# Altium PCB higgs.PcbDoc (part 25 of 25)
Units mm, origin at the board's own origin, x right, y up, seen from the top; angles counter-clockwise.
Board outline 160 x 160 mm, 15 copper layers (TOP, P1(GND), S1(V), P2(GND), S2(H), P3(GND), S3(V12/V2V5), S4(VDDR), P4(GND), S5(V), P5(GND), S6(H), P6(GND), P1(GND) (Plane1), BOT), stack 3.262 mm thick; 1283 components, 2419 nets, 11066 pads, 5487 vias.
Unrouted connection lines stored in the file: 239.
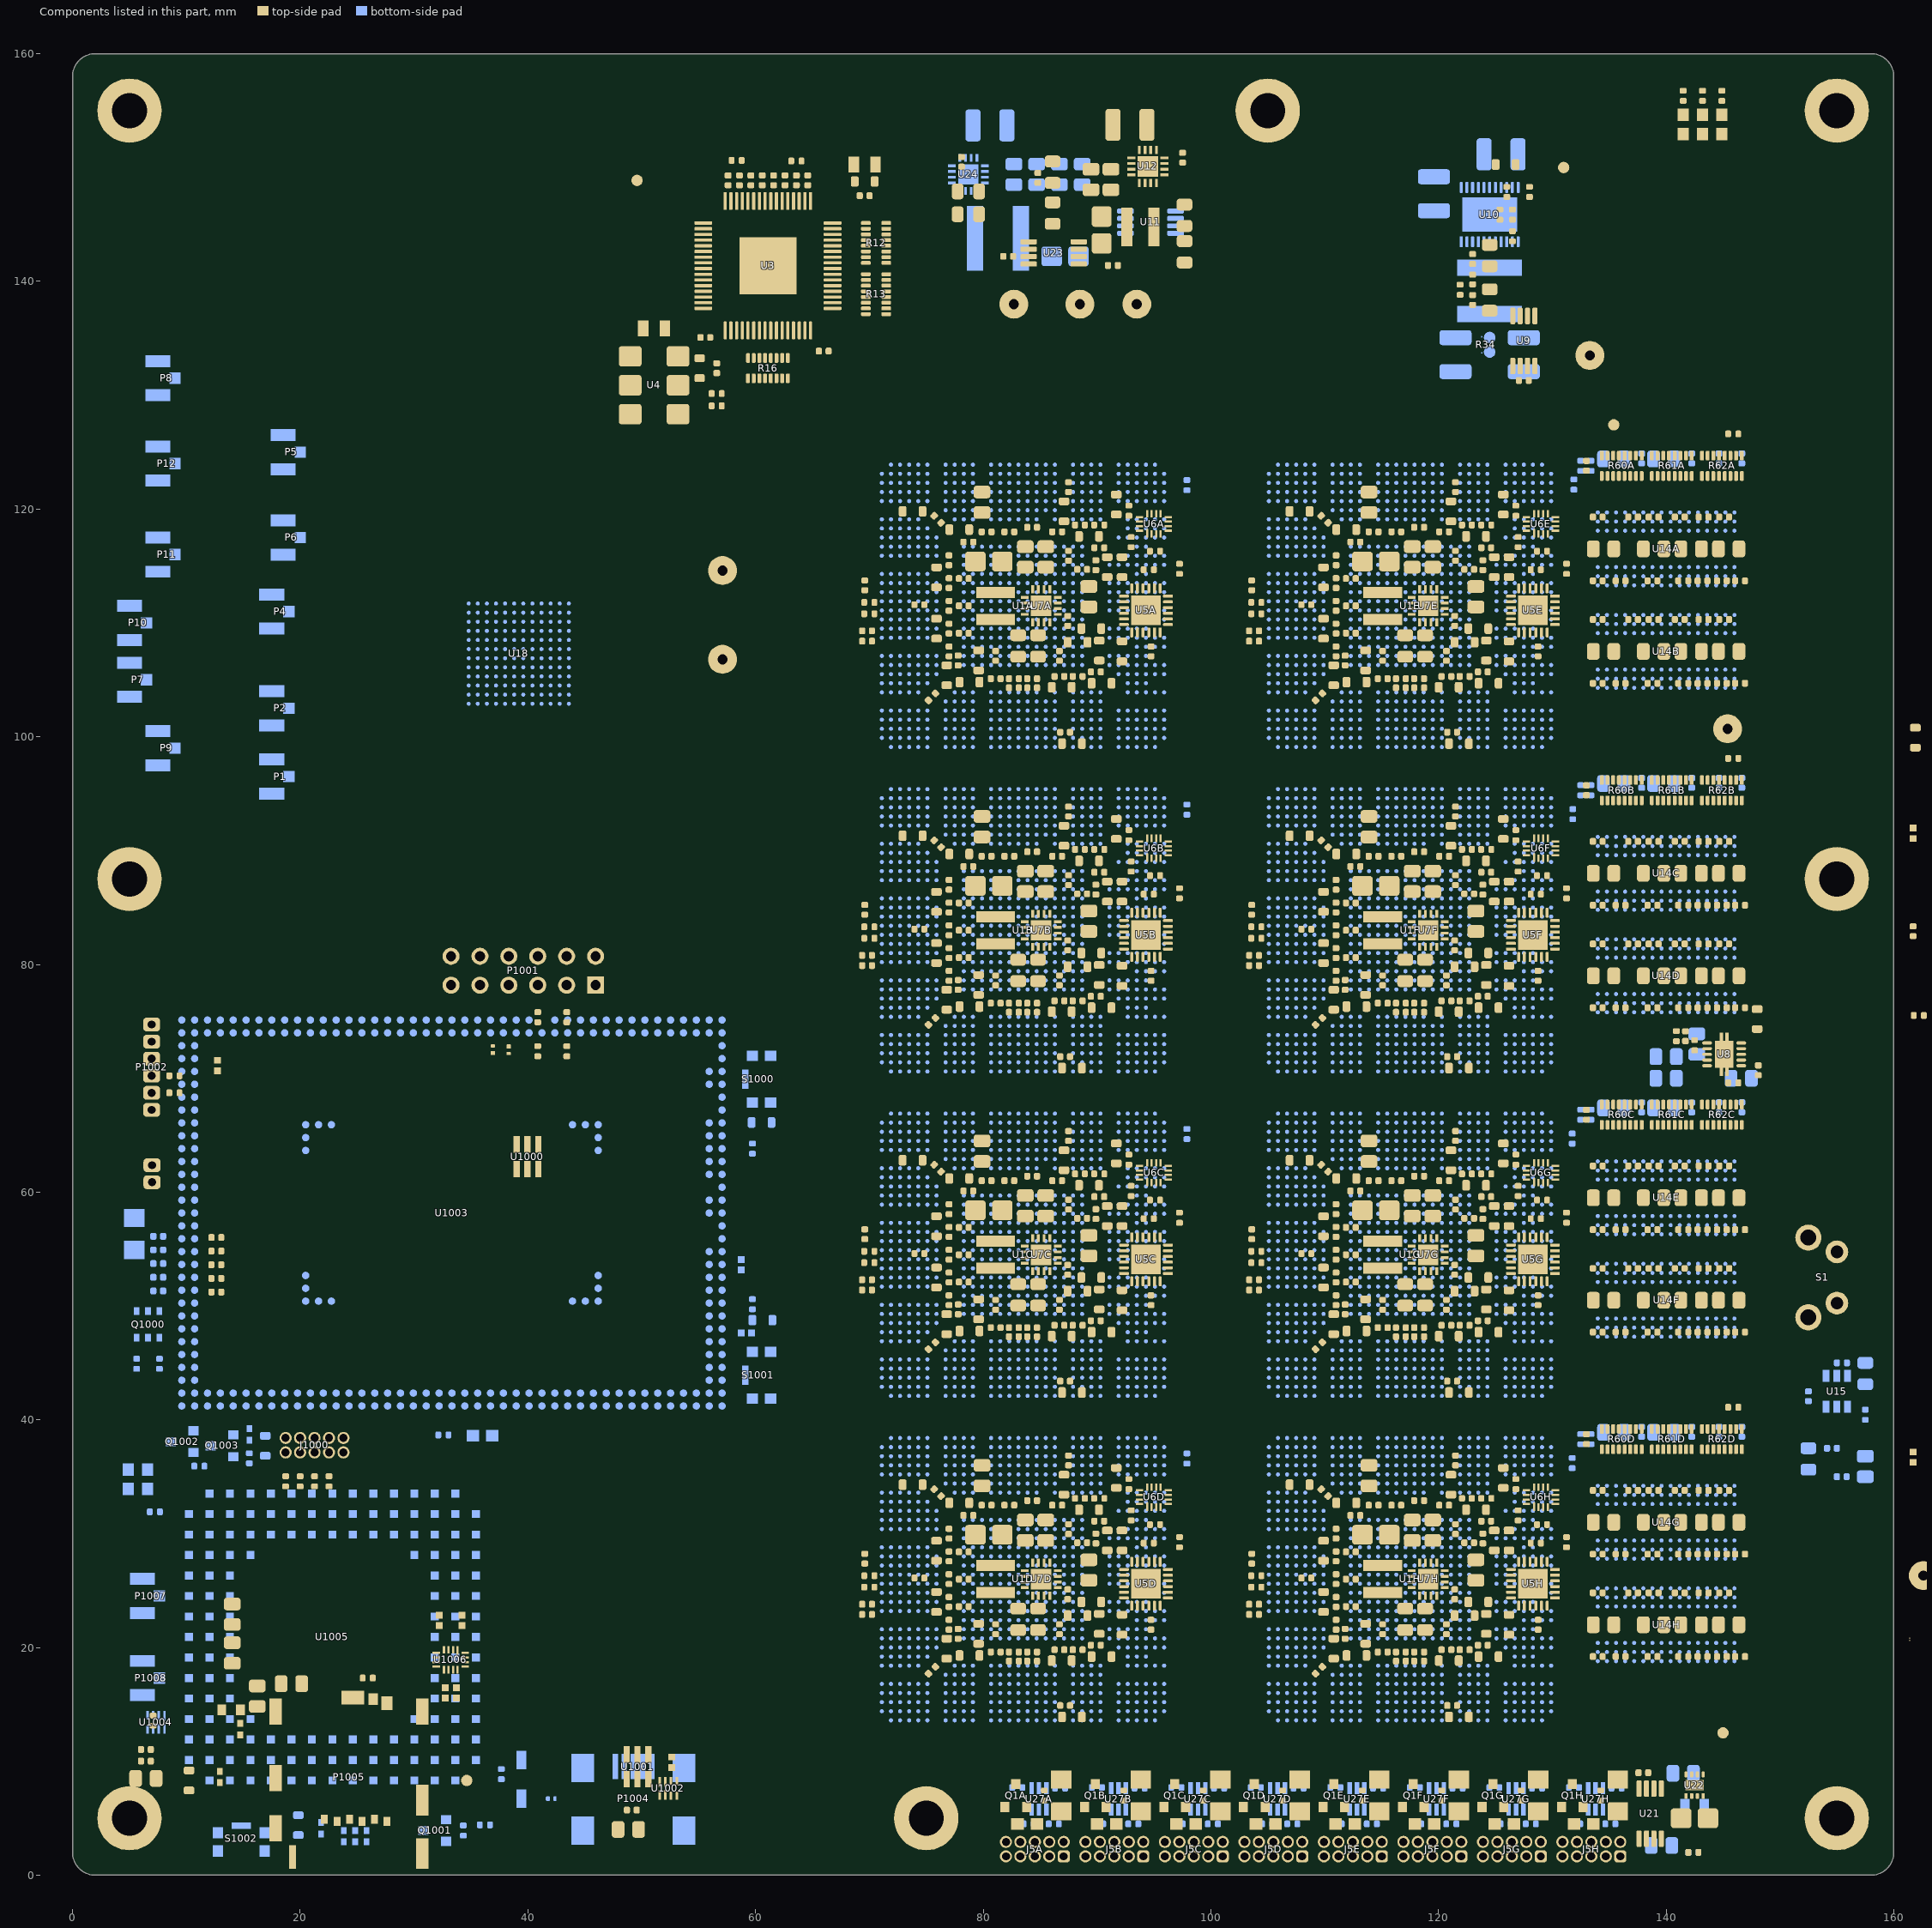
[diagram p38: the components of this part, seen from the top]

## Polygon pours and split planes (outlines as drawn) (continued)
IL12.VIOLRH on TOP "TOP_IL12_23_VIOLR" (solid, remove dead copper, shelved, pour order 1916): 21 vertices, not listed, extent 113,10 150,132
NetL5_1 on TOP "NETL6_1_L01_P2121" (solid, remove dead copper, shelved, pour order 2121): 94.978,149.086 93.454,149.086 93.454,147.816 93.454,147.562 93.454,145.53 94.216,145.53 94.978,145.53
NetC94_2 on TOP "NETC88_2_L01_P2125" (solid, remove dead copper, shelved, pour order 2125): 89.138,149.086 89.138,144.516 93.2,144.516 93.2,146.038 93.2,147.562 92.514,148.324 92.438,148.324 91.93,148.324 91.422,148.832 91.422,149.086
V1V35 on TOP "FPGA_SDRAM_V1V35B" (solid, remove dead copper, shelved, pour order 2169): 134,33.3 134,33.4 134,35 135.6,35 135.6,33.4 136.4,33.4 136.4,31.3 136.4,29 134,29 134,27.8 133.2,27.8 133.2,30.1 134.5,30.1 134.5,32.6 134,32.6
V1V35 on TOP "FPGA_SDRAM_V1V35B" (solid, remove dead copper, shelved, pour order 2168): 143.3,33.8 145.601,33.8 145.601,31.8 145.5,31.8 145.5,29.8 146.401,29.8 146.401,28.2 144,28.2 144,32.2 143.3,32.2
V1V35 on TOP "FPGA_SDRAM_V1V35B" (solid, remove dead copper, shelved, pour order 2167): 143.3,24.8 145.601,24.8 145.601,22.8 145.5,22.8 145.5,20.8 146.401,20.8 146.401,19.2 144,19.2 144,23.2 143.3,23.2
V1V35 on TOP "FPGA_SDRAM_V1V35B" (solid, remove dead copper, shelved, pour order 2166): 134,24.3 134,24.4 134,26 135.6,26 135.6,24.4 136.4,24.4 136.4,22.3 136.4,20 134,20 134,18.8 133.2,18.8 133.2,21.1 134.5,21.1 134.5,23.6 134,23.6
V1V35 on TOP "FPGA_SDRAM_V1V35B" (solid, remove dead copper, shelved, pour order 2164): 134,61.8 134,61.9 134,63.5 135.6,63.5 135.6,61.9 136.4,61.9 136.4,59.8 136.4,57.5 134,57.5 134,56.3 133.2,56.3 133.2,58.6 134.5,58.6 134.5,61.1 134,61.1
V1V35 on TOP "FPGA_SDRAM_V1V35B" (solid, remove dead copper, shelved, pour order 2163): 143.3,62.3 145.601,62.3 145.601,60.3 145.5,60.3 145.5,58.3 146.401,58.3 146.401,56.7 144,56.7 144,60.7 143.3,60.7
V1V35 on TOP "FPGA_SDRAM_V1V35B" (solid, remove dead copper, shelved, pour order 2162): 143.3,53.3 145.601,53.3 145.601,51.3 145.5,51.3 145.5,49.3 146.401,49.3 146.401,47.7 144,47.7 144,51.7 143.3,51.7
V1V35 on TOP "FPGA_SDRAM_V1V35B" (solid, remove dead copper, shelved, pour order 2161): 134,52.8 134,52.9 134,54.5 135.6,54.5 135.6,52.9 136.4,52.9 136.4,50.8 136.4,48.5 134,48.5 134,47.3 133.2,47.3 133.2,49.6 134.5,49.6 134.5,52.1 134,52.1
V1V35 on TOP "FPGA_SDRAM_V1V35B" (solid, remove dead copper, shelved, pour order 2159): 134,81.3 134,81.4 134,83 135.6,83 135.6,81.4 136.4,81.4 136.4,79.3 136.4,77 134,77 134,75.8 133.2,75.8 133.2,78.1 134.5,78.1 134.5,80.6 134,80.6
V1V35 on TOP "FPGA_SDRAM_V1V35B" (solid, remove dead copper, shelved, pour order 2158): 143.3,81.8 145.601,81.8 145.601,79.8 145.5,79.8 145.5,77.8 146.401,77.8 146.401,76.2 144,76.2 144,80.2 143.3,80.2
V1V35 on TOP "FPGA_SDRAM_V1V35B" (solid, remove dead copper, shelved, pour order 2157): 143.3,90.8 145.601,90.8 145.601,88.8 145.5,88.8 145.5,86.8 146.401,86.8 146.401,85.2 144,85.2 144,89.2 143.3,89.2
V1V35 on TOP "FPGA_SDRAM_V1V35B" (solid, remove dead copper, shelved, pour order 2156): 134,90.3 134,90.4 134,92 135.6,92 135.6,90.4 136.4,90.4 136.4,88.3 136.4,86 134,86 134,84.8 133.2,84.8 133.2,87.1 134.5,87.1 134.5,89.6 134,89.6
V1V35 on TOP "FPGA_SDRAM_V1V35B" (solid, remove dead copper, shelved, pour order 2155): 134,109.8 134,109.9 134,111.5 135.6,111.5 135.6,109.9 136.4,109.9 136.4,107.8 136.4,105.5 134,105.5 134,104.3 133.2,104.3 133.2,106.6 134.5,106.6 134.5,109.1 134,109.1
V1V35 on TOP "FPGA_SDRAM_V1V35B" (solid, remove dead copper, shelved, pour order 2154): 143.3,110.3 145.601,110.3 145.601,108.3 145.5,108.3 145.5,106.3 146.401,106.3 146.401,104.7 144,104.7 144,108.7 143.3,108.7
VTTR on TOP "FPGAN_TO_VTTB" (solid, remove dead copper, shelved, pour order 2022): 121.9,102.3 119.9,102.3 119.9,101.9 118.7,101.9 118.7,100.3 121.9,100.3
V1V35 on TOP "FPGA_SDRAM_V1V35B" (solid, remove dead copper, shelved, pour order 1932): 143.3,119.3 145.601,119.3 145.601,117.3 145.5,117.3 145.5,115.3 146.401,115.3 146.401,113.7 144,113.7 144,117.7 143.3,117.7
V1V35 on TOP "FPGA_SDRAM_V1V35B" (solid, remove dead copper, shelved, pour order 1931): 134,118.8 134,118.9 134,120.5 135.6,120.5 135.6,118.9 136.4,118.9 136.4,116.8 136.4,114.5 134,114.5 134,113.3 133.2,113.3 133.2,115.6 134.5,115.6 134.5,118.1 134,118.1
V1V35 on TOP "FPGA_TO_IL0730VIOA" (solid, remove dead copper, shelved, pour order 2036): 112.7,31.2 114.7,31.2 114.7,33.6 112.7,33.6
V1V35 on TOP "FPGA_TO_IL0730VIOB" (solid, remove dead copper, shelved, pour order 2053): 112.3,26.8 112.3,27.6 109.45,27.6 109.45,26.8
IL12.VIOLRH on TOP "FPGA_TO_IL1230VIOB" (solid, remove dead copper, shelved, pour order 2002): 112.3,25.6 109.45,25.6 109.45,24 112.3,24
IL12.LR.VTTH on TOP "FPGA_TO_IL1230VTT" (solid, remove dead copper, shelved, pour order 1985): 111.5,17.6 111.5,20 109.1,20 109.1,17.6
V1V35 on TOP "FPGA_TO_IL3430VIOA" (solid, remove dead copper, shelved, pour order 1951): 117.9,20.8 121.1,20.8 121.1,18.4 117.9,18.4
V1V35 on TOP "FPGA_TO_IL3430VIOB" (solid, remove dead copper, shelved, pour order 1934): 121.9,20.8 121.9,18.4 123.9,18.4 123.9,20.8
VTTR on TOP "FPGAN_TO_VTTB" (solid, remove dead copper, shelved, pour order 2019): 121.9,16.8 119.9,16.8 119.9,16.4 118.7,16.4 118.7,14.8 121.9,14.8
V1V35 on TOP "FPGA_TO_IL0730VIOA" (solid, remove dead copper, shelved, pour order 2037): 112.7,59.7 114.7,59.7 114.7,62.1 112.7,62.1
V1V35 on TOP "FPGA_TO_IL0730VIOB" (solid, remove dead copper, shelved, pour order 2054): 112.3,55.3 112.3,56.1 109.45,56.1 109.45,55.3
V1V35 on TOP "FPGA_TO_IL1230VIOB" (solid, remove dead copper, shelved, pour order 2003): 112.3,54.1 109.45,54.1 109.45,52.5 112.3,52.5
VTTR on TOP "FPGA_TO_IL1230VTT" (solid, remove dead copper, shelved, pour order 1986): 111.5,46.1 111.5,48.5 109.1,48.5 109.1,46.1
V1V35 on TOP "FPGA_TO_IL1230VIOA" (solid, remove dead copper, shelved, pour order 1969): 113.5,49.7 117.1,49.7 117.5,49.7 117.5,48.9 117.5,46.9 116.7,46.9 116.7,47.9 113.5,47.9
V1V35 on TOP "FPGA_TO_IL3430VIOA" (solid, remove dead copper, shelved, pour order 1952): 117.9,49.3 121.1,49.3 121.1,46.9 117.9,46.9
V1V35 on TOP "FPGA_TO_IL3430VIOB" (solid, remove dead copper, shelved, pour order 1935): 121.9,49.3 121.9,46.9 123.9,46.9 123.9,49.3
VTTR on TOP "FPGAN_TO_VTTB" (solid, remove dead copper, shelved, pour order 2020): 121.9,45.3 119.9,45.3 119.9,44.9 118.7,44.9 118.7,42.7 121.9,42.7
V1V35 on TOP "FPGA_TO_IL0730VIOA" (solid, remove dead copper, shelved, pour order 2038): 112.7,88.2 114.7,88.2 114.7,90.6 112.7,90.6
V1V35 on TOP "FPGA_TO_IL0730VIOB" (solid, remove dead copper, shelved, pour order 2055): 112.3,83.8 112.3,84.6 109.45,84.6 109.45,83.8
V1V35 on TOP "FPGA_TO_IL1230VIOB" (solid, remove dead copper, shelved, pour order 2004): 112.3,82.6 109.45,82.6 109.45,81 112.3,81
VTTR on TOP "FPGA_TO_IL1230VTT" (solid, remove dead copper, shelved, pour order 1987): 111.5,74.6 111.5,77 109.1,77 109.1,74.6
V1V35 on TOP "FPGA_TO_IL1230VIOA" (solid, remove dead copper, shelved, pour order 1970): 113.5,78.2 117.1,78.2 117.5,78.2 117.5,77.4 117.5,75.4 116.7,75.4 116.7,76.4 113.5,76.4
V1V35 on TOP "FPGA_TO_IL3430VIOA" (solid, remove dead copper, shelved, pour order 1953): 117.9,77.8 121.1,77.8 121.1,75.4 117.9,75.4
V1V35 on TOP "FPGA_TO_IL3430VIOB" (solid, remove dead copper, shelved, pour order 1936): 121.9,77.8 121.9,75.4 123.9,75.4 123.9,77.8
VTTR on TOP "FPGAN_TO_VTTB" (solid, remove dead copper, shelved, pour order 2021): 121.9,73.8 119.9,73.8 119.9,73.4 118.7,73.4 118.7,71.8 121.9,71.8
V1V35 on TOP "FPGA_TO_IL0730VIOA" (solid, remove dead copper, shelved, pour order 2039): 112.7,116.7 114.7,116.7 114.7,119.1 112.7,119.1
V1V35 on TOP "FPGA_TO_IL0730VIOB" (solid, remove dead copper, shelved, pour order 2056): 112.3,112.3 112.3,113.1 109.45,113.1 109.45,112.3
V1V35 on TOP "FPGA_TO_IL1230VIOB" (solid, remove dead copper, shelved, pour order 2005): 112.3,111.1 109.45,111.1 109.45,109.5 112.3,109.5
VTTR on TOP "FPGA_TO_IL1230VTT" (solid, remove dead copper, shelved, pour order 1988): 111.5,103.1 111.5,105.5 109.1,105.5 109.1,103.1
V1V35 on TOP "FPGA_TO_IL1230VIOA" (solid, remove dead copper, shelved, pour order 1971): 113.5,106.7 117.1,106.7 117.5,106.7 117.5,105.9 117.5,103.9 116.7,103.9 116.7,104.9 113.5,104.9
V1V35 on TOP "FPGA_TO_IL3430VIOA" (solid, remove dead copper, shelved, pour order 1954): 117.9,106.3 121.1,106.3 121.1,103.9 117.9,103.9
V1V35 on TOP "FPGA_TO_IL3430VIOB" (solid, remove dead copper, shelved, pour order 1937): 121.9,106.3 121.9,103.9 123.9,103.9 123.9,106.3
IL12.VIOLRH on TOP "FPGA_TO_IL1230VIOB" (solid, remove dead copper, shelved, pour order 2006): 78.3,25.6 75.45,25.6 75.45,24 78.3,24
IL12.LR.VTTH on TOP "FPGA_TO_IL1230VTT" (solid, remove dead copper, shelved, pour order 1989): 77.5,17.6 77.5,20 75.1,20 75.1,17.6
IL12.VIOLRH on TOP "FPGA_TO_IL1230VIOA" (solid, remove dead copper, shelved, pour order 1972): 79.5,21.2 83.1,21.2 83.5,21.2 83.5,20.4 83.5,18.4 82.7,18.4 82.7,19.4 79.5,19.4
V1V35 on TOP "FPGA_TO_IL3430VIOA" (solid, remove dead copper, shelved, pour order 1955): 83.9,20.8 87.1,20.8 87.1,18.4 83.9,18.4
V1V35 on TOP "FPGA_TO_IL3430VIOB" (solid, remove dead copper, shelved, pour order 1938): 87.9,20.8 87.9,18.4 89.9,18.4 89.9,20.8
V1V35 on TOP "FPGA_TO_IL1230VIOB" (solid, remove dead copper, shelved, pour order 2007): 78.3,54.1 75.45,54.1 75.45,52.5 78.3,52.5
VTTR on TOP "FPGA_TO_IL1230VTT" (solid, remove dead copper, shelved, pour order 1990): 77.5,46.1 77.5,48.5 75.1,48.5 75.1,46.1
V1V35 on TOP "FPGA_TO_IL1230VIOA" (solid, remove dead copper, shelved, pour order 1973): 79.5,49.7 83.1,49.7 83.5,49.7 83.5,48.9 83.5,46.9 82.7,46.9 82.7,47.9 79.5,47.9
V1V35 on TOP "FPGA_TO_IL3430VIOA" (solid, remove dead copper, shelved, pour order 1956): 83.9,49.3 87.1,49.3 87.1,46.9 83.9,46.9
V1V35 on TOP "FPGA_TO_IL3430VIOB" (solid, remove dead copper, shelved, pour order 1939): 87.9,49.3 87.9,46.9 89.9,46.9 89.9,49.3
VTTR on TOP "FPGAN_TO_VTTB" (solid, remove dead copper, shelved, pour order 2024): 87.9,45.3 85.9,45.3 85.9,44.9 84.7,44.9 84.7,43.3 87.9,43.3
V1V35 on TOP "FPGA_TO_IL1230VIOB" (solid, remove dead copper, shelved, pour order 2008): 78.3,82.6 75.45,82.6 75.45,81 78.3,81
VTTR on TOP "FPGA_TO_IL1230VTT" (solid, remove dead copper, shelved, pour order 1991): 77.5,74.6 77.5,77 75.1,77 75.1,74.6
V1V35 on TOP "FPGA_TO_IL1230VIOA" (solid, remove dead copper, shelved, pour order 1974): 79.5,78.2 83.1,78.2 83.5,78.2 83.5,77.4 83.5,75.4 82.7,75.4 82.7,76.4 79.5,76.4
V1V35 on TOP "FPGA_TO_IL3430VIOA" (solid, remove dead copper, shelved, pour order 1957): 83.9,77.8 87.1,77.8 87.1,75.4 83.9,75.4
V1V35 on TOP "FPGA_TO_IL3430VIOB" (solid, remove dead copper, shelved, pour order 1940): 87.9,77.8 87.9,75.4 89.9,75.4 89.9,77.8
VTTR on TOP "FPGAN_TO_VTTB" (solid, remove dead copper, shelved, pour order 2025): 87.9,73.8 85.9,73.8 85.9,73.4 84.7,73.4 84.7,71.8 87.9,71.8
V1V35 on TOP "FPGA_TO_IL1230VIOB" (solid, remove dead copper, shelved, pour order 2009): 78.3,111.1 75.45,111.1 75.45,109.5 78.3,109.5
VTTR on TOP "FPGA_TO_IL1230VTT" (solid, remove dead copper, shelved, pour order 1992): 77.5,103.1 77.5,105.5 75.1,105.5 75.1,103.1
V1V35 on TOP "FPGA_TO_IL1230VIOA" (solid, remove dead copper, shelved, pour order 1975): 79.5,106.7 83.1,106.7 83.5,106.7 83.5,105.9 83.5,103.9 82.7,103.9 82.7,104.9 79.5,104.9
V1V35 on TOP "FPGA_TO_IL3430VIOA" (solid, remove dead copper, shelved, pour order 1958): 83.9,106.3 87.1,106.3 87.1,103.9 83.9,103.9
V1V35 on TOP "FPGA_TO_IL3430VIOB" (solid, remove dead copper, shelved, pour order 1941): 87.9,106.3 87.9,103.9 89.9,103.9 89.9,106.3
VTTR on TOP "FPGAN_TO_VTTB" (solid, remove dead copper, shelved, pour order 2026): 87.9,102.3 85.9,102.3 85.9,101.9 84.7,101.9 84.7,100.3 87.9,100.3
V12 on TOP "V12_L01_P2123" (solid, remove dead copper, shelved, pour order 2123): 92.692,150.61 92.692,152.39 93.198,152.896 93.2,153.91 96.025,153.913 96.025,152.05 94.925,152.05 94.925,151.351 93.8,151.351 93.8,150.61
NetC69_1 on TOP "CLK_V3V3FILT" (solid, remove dead copper, shelved, pour order 2198): 63.39,149.076 64.59,149.076 64.59,147.376 69.16,147.376 69.16,151.276 63.39,151.276
IL12.LR.VTTH on TOP "IL12_23_DDRVTT" (solid, remove dead copper, shelved, pour order 1928): 67.7,27.9 70.4,27.9 70.4,24.9 67.7,24.9
IL12.LR.VTTH on TOP "IL12_23_DDRVTT" (solid, remove dead copper, shelved, pour order 1927): 101.7,27.9 104.4,27.9 104.4,24.9 101.7,24.9
VTTR on TOP "FPGAN_TO_VTTB" (solid, remove dead copper, shelved, pour order 2023): 87.9,16.8 85.9,16.8 85.9,16.4 84.7,16.4 84.7,14.8 87.9,14.8
IL68.LR.VTTE on TOP "FPGA_TO_VTT" (solid, remove dead copper, shelved, pour order 2073): 121.9,120.7 119.9,120.7 119.9,121.1 118.7,121.1 118.7,121.9 121.9,121.9
IL12.VIOLRH on TOP "FPGA_TO_IL1230VIOA" (solid, remove dead copper, shelved, pour order 1968): 113.5,21.2 117.1,21.2 117.5,21.2 117.5,20.4 117.5,18.4 116.7,18.4 116.7,19.4 113.5,19.4
SNSH_N on TOP "SNSQ_N_L01_P2087" (solid, remove dead copper, shelved, pour order 2087): 116.8,24.9 113.3,24.9 112.8,24.4 112.8,22.9 113.3,22.4 117.3,22.4 117.8,22.4 118,22.4 118.8,22.4 118.8,23.4 117.8,23.4 117.3,23.9
SNSG_N on TOP "SNSP_N_L01_P2088" (solid, remove dead copper, shelved, pour order 2088): 116.8,53.4 113.3,53.4 112.8,52.9 112.8,51.4 113.3,50.9 117.3,50.9 117.8,50.9 118,50.9 118.8,50.9 118.8,51.9 117.8,51.9 117.3,52.4
SNSF_N on TOP "SNSO_N_L01_P2089" (solid, remove dead copper, shelved, pour order 2089): 116.8,81.9 113.3,81.9 112.8,81.4 112.8,79.9 113.3,79.4 117.3,79.4 117.8,79.4 118,79.4 118.8,79.4 118.8,80.4 117.8,80.4 117.3,80.9
SNSE_N on TOP "SNSN_N_L01_P2090" (solid, remove dead copper, shelved, pour order 2090): 116.8,110.4 113.3,110.4 112.8,109.9 112.8,108.4 113.3,107.9 117.3,107.9 117.8,107.9 118,107.9 118.8,107.9 118.8,108.9 117.8,108.9 117.3,109.4
SNSD_N on TOP "SNSM_N_L01_P2091" (solid, remove dead copper, shelved, pour order 2091): 82.8,24.9 79.3,24.9 78.8,24.4 78.8,22.9 79.3,22.4 83.3,22.4 83.8,22.4 84,22.4 84.8,22.4 84.8,23.4 83.8,23.4 83.3,23.9
SNSC_N on TOP "SNSL_N_L01_P2092" (solid, remove dead copper, shelved, pour order 2092): 82.8,53.4 79.3,53.4 78.8,52.9 78.8,51.4 79.3,50.9 83.3,50.9 83.8,50.9 84,50.9 84.8,50.9 84.8,51.9 83.8,51.9 83.3,52.4
SNSB_N on TOP "SNSK_N_L01_P2093" (solid, remove dead copper, shelved, pour order 2093): 82.8,81.9 79.3,81.9 78.8,81.4 78.8,79.9 79.3,79.4 83.3,79.4 83.8,79.4 84,79.4 84.8,79.4 84.8,80.4 83.8,80.4 83.3,80.9
SNSA_N on TOP "SNSJ_N_L01_P2094" (solid, remove dead copper, shelved, pour order 2094): 82.8,110.4 79.3,110.4 78.8,109.9 78.8,108.4 79.3,107.9 83.3,107.9 83.8,107.9 84,107.9 84.8,107.9 84.8,108.9 83.8,108.9 83.3,109.4
IL68.LR.VTTE on TOP "FPGA_TO_VTT" (solid, remove dead copper, shelved, pour order 2077): 87.9,120.7 85.9,120.7 85.9,121.1 84.7,121.1 84.7,121.9 87.9,121.9
V1V35 on TOP "FPGA_TO_IL0730VIOA" (solid, remove dead copper, shelved, pour order 2040): 78.7,31.2 80.7,31.2 80.7,33.6 78.7,33.6
V1V35 on TOP "FPGA_TO_IL0730VIOB" (solid, remove dead copper, shelved, pour order 2057): 78.3,26.8 78.3,27.6 75.45,27.6 75.45,26.8
V1V35 on TOP "FPGA_TO_IL0730VIOA" (solid, remove dead copper, shelved, pour order 2041): 78.7,59.7 80.7,59.7 80.7,62.1 78.7,62.1
V1V35 on TOP "FPGA_TO_IL0730VIOB" (solid, remove dead copper, shelved, pour order 2058): 78.3,55.3 78.3,56.1 75.45,56.1 75.45,55.3
V1V35 on TOP "FPGA_TO_IL0730VIOA" (solid, remove dead copper, shelved, pour order 2042): 78.7,88.2 80.7,88.2 80.7,90.6 78.7,90.6
V1V35 on TOP "FPGA_TO_IL0730VIOB" (solid, remove dead copper, shelved, pour order 2059): 78.3,83.8 78.3,84.6 75.45,84.6 75.45,83.8
V1V35 on TOP "FPGA_TO_ILVIOB" (solid, remove dead copper, shelved, pour order 2043): 78.7,116.7 80.7,116.7 80.7,119.1 78.7,119.1
V1V35 on TOP "FPGA_TO_IL0730VIOB" (solid, remove dead copper, shelved, pour order 2060): 78.3,112.3 78.3,113.1 75.45,113.1 75.45,112.3
V2V5 on S4(VDDR) "V2V5" (solid, remove dead copper, shelved, pour order 2255): 77,120 81.825,120 81.825,19.775 77,19.775
VTTR on S4(VDDR) "VTTR" (solid, remove dead copper, shelved, pour order 1925): 86,15 84,15 84,95 86,95 86,19
V2V5 on S4(VDDR) "V2V5" (solid, remove dead copper, shelved, pour order 2253): 111,120 116.125,120 116.125,18.875 111,18.875
VTTR on S4(VDDR) "VTTR" (solid, remove dead copper, shelved, pour order 1926): 120,15 118,15 118,95 120,95 120,19 136,19 136,15
VTTR on S4(VDDR) "DDR_VTTB" (solid, remove dead copper, shelved, pour order 2209): 134.6,126.5 134.6,15 151.779,15 151.779,126.5
V1V35 on S3(V12/V2V5) "V1V35A" (solid, remove dead copper, shelved, pour order 2217): 77.094,134 91.953,134 91.953,25.654 99.446,25.654 99.2,117.856 104.78,117.856 105.034,25.654 105.034,19.177 76.774,19.177 77.094,127
V1V35 on S3(V12/V2V5) "DDR_V1V35B" (solid, remove dead copper, shelved, pour order 2200): 133.1,128.016 133.1,25.146 128.847,25.146 129.166,141.478 96.906,141.224 96.906,123.262 99.328,123.262 99.328,117.627 110.815,117.627 111.202,15.7 133.1,15.7 147.486,15.7 147.486,126.474 147.486,128.016
V12 on S3(V12/V2V5) "V12_L07_P2195" (solid, remove dead copper, shelved, pour order 2195): 19 vertices, not listed, extent 121,25 132.261,126.5
V12 on S3(V12/V2V5) "V12_L07_P2194" (solid, remove dead copper, shelved, pour order 2194): 19 vertices, not listed, extent 87,25 99,126.5
GND on BOT "GND-BOT-ALL" (solid, remove dead copper, shelved, pour order 2394): 0,160 160,160 160,0 0,0
NetC85_1 on BOT "NETC81B_1_L14_P2135" (solid, remove dead copper, shelved, pour order 2135): 120.5,143.565 128,143.565 128,139.365 120.5,139.365
V12 on BOT "V12_L14_P2133" (solid, remove dead copper, shelved, pour order 2133): 118,147.965 126,147.965 126,153.365 118,153.365
V2V5 on BOT "V2V5_L14_P2132" (solid, remove dead copper, shelved, pour order 2132): 87.5,136.5 87.5,143.7 86.3,143.7 86.3,148.2 90,148.2 90,136.5
NetC162_2 on BOT "NETC134_2_L14_P2130" (solid, remove dead copper, shelved, pour order 2130): 81,148.2 81,140.2 86.1,140.2 86.1,148.2
V12 on BOT "V12_L14_P2127" (solid, remove dead copper, shelved, pour order 2127): 81.1,149.9 78.2,149.9 78.2,155.4 81.1,155.4
VTTR on BOT "FPGA_SDRAM_TERM" (solid, remove dead copper, shelved, pour order 1933): 134,126 147,126 147,124.1 134,124.1
VTTR on BOT "FPGA_SDRAM_TERM" (solid, remove dead copper, shelved, pour order 2165): 134,69 147,69 147,67.1 134,67.1
VTTR on BOT "FPGA_SDRAM_TERM" (solid, remove dead copper, shelved, pour order 2170): 134,40.5 147,40.5 147,38.6 134,38.6
VTTR on BOT "FPGA_SDRAM_TERM" (solid, remove dead copper, shelved, pour order 2160): 134,97.5 147,97.5 147,95.6 134,95.6
NetL9_1 on BOT "NETL7_1_L14_P2129" (solid, remove dead copper, shelved, pour order 2129): 77.8,148.1 77.8,140.2 80.9,140.2 80.9,148.1
IL68.VIOLRE on S2(H) "S2_IL68_20_VIOLR" (solid, remove dead copper, shelved, pour order 2369): 125,115 107.5,115 107.5,139 108.5,139 125,139
IL68.VIOLRE on S1(V) "S1_IL68_20_VIOLR" (solid, remove dead copper, shelved, pour order 1920): 85.5,115 110.8,115 110.8,139 107.5,139 107.5,136.5 85.5,136.5
GND on P1(GND) (split plane): 83 vertices, not listed, extent 0.255,0.255 159.745,159.745
GND on P1(GND) (split plane): 145 vertices, not listed, extent 0.255,0.255 62.573,82.663
V5_USB_CELL on P1(GND) (split plane): 76 vertices, not listed, extent 6.442,8.244 10.25,32.372
VCC3P3_SYS on P1(GND) (split plane): 93 vertices, not listed, extent 24.984,33.136 39.968,47.358
V3V3 on P1(GND) (split plane): 122 vertices, not listed, extent 14.57,10.875 62.574,82.664
GND on P2(GND) (split plane): 81 vertices, not listed, extent 0.255,0.255 159.745,159.745
GND on P3(GND) (split plane): 81 vertices, not listed, extent 0.255,0.255 159.745,159.745
GND on P4(GND) (split plane): 81 vertices, not listed, extent 0.255,0.255 159.745,159.745
GND on P5(GND) (split plane): 81 vertices, not listed, extent 0.255,0.255 159.745,159.745
GND on P6(GND) (split plane): 81 vertices, not listed, extent 0.255,0.255 159.745,159.745
GND on P1(GND) (Plane1) (split plane): 81 vertices, not listed, extent 0.255,0.255 159.745,159.745
